# Altium PCB ADC130MSPS-V1-01.PcbDoc (part 5 of 7)
Units mil, origin at the board's own origin, x right, y up, seen from the top; angles counter-clockwise.
Board outline 3011.81 x 2716.54 mil, 8 copper layers (Top Layer, GND1, L3, GND2, L5, GND3, POWER, Bottom Layer), stack 53.051 mil thick; 405 components, 449 nets, 2142 pads, 1651 vias.
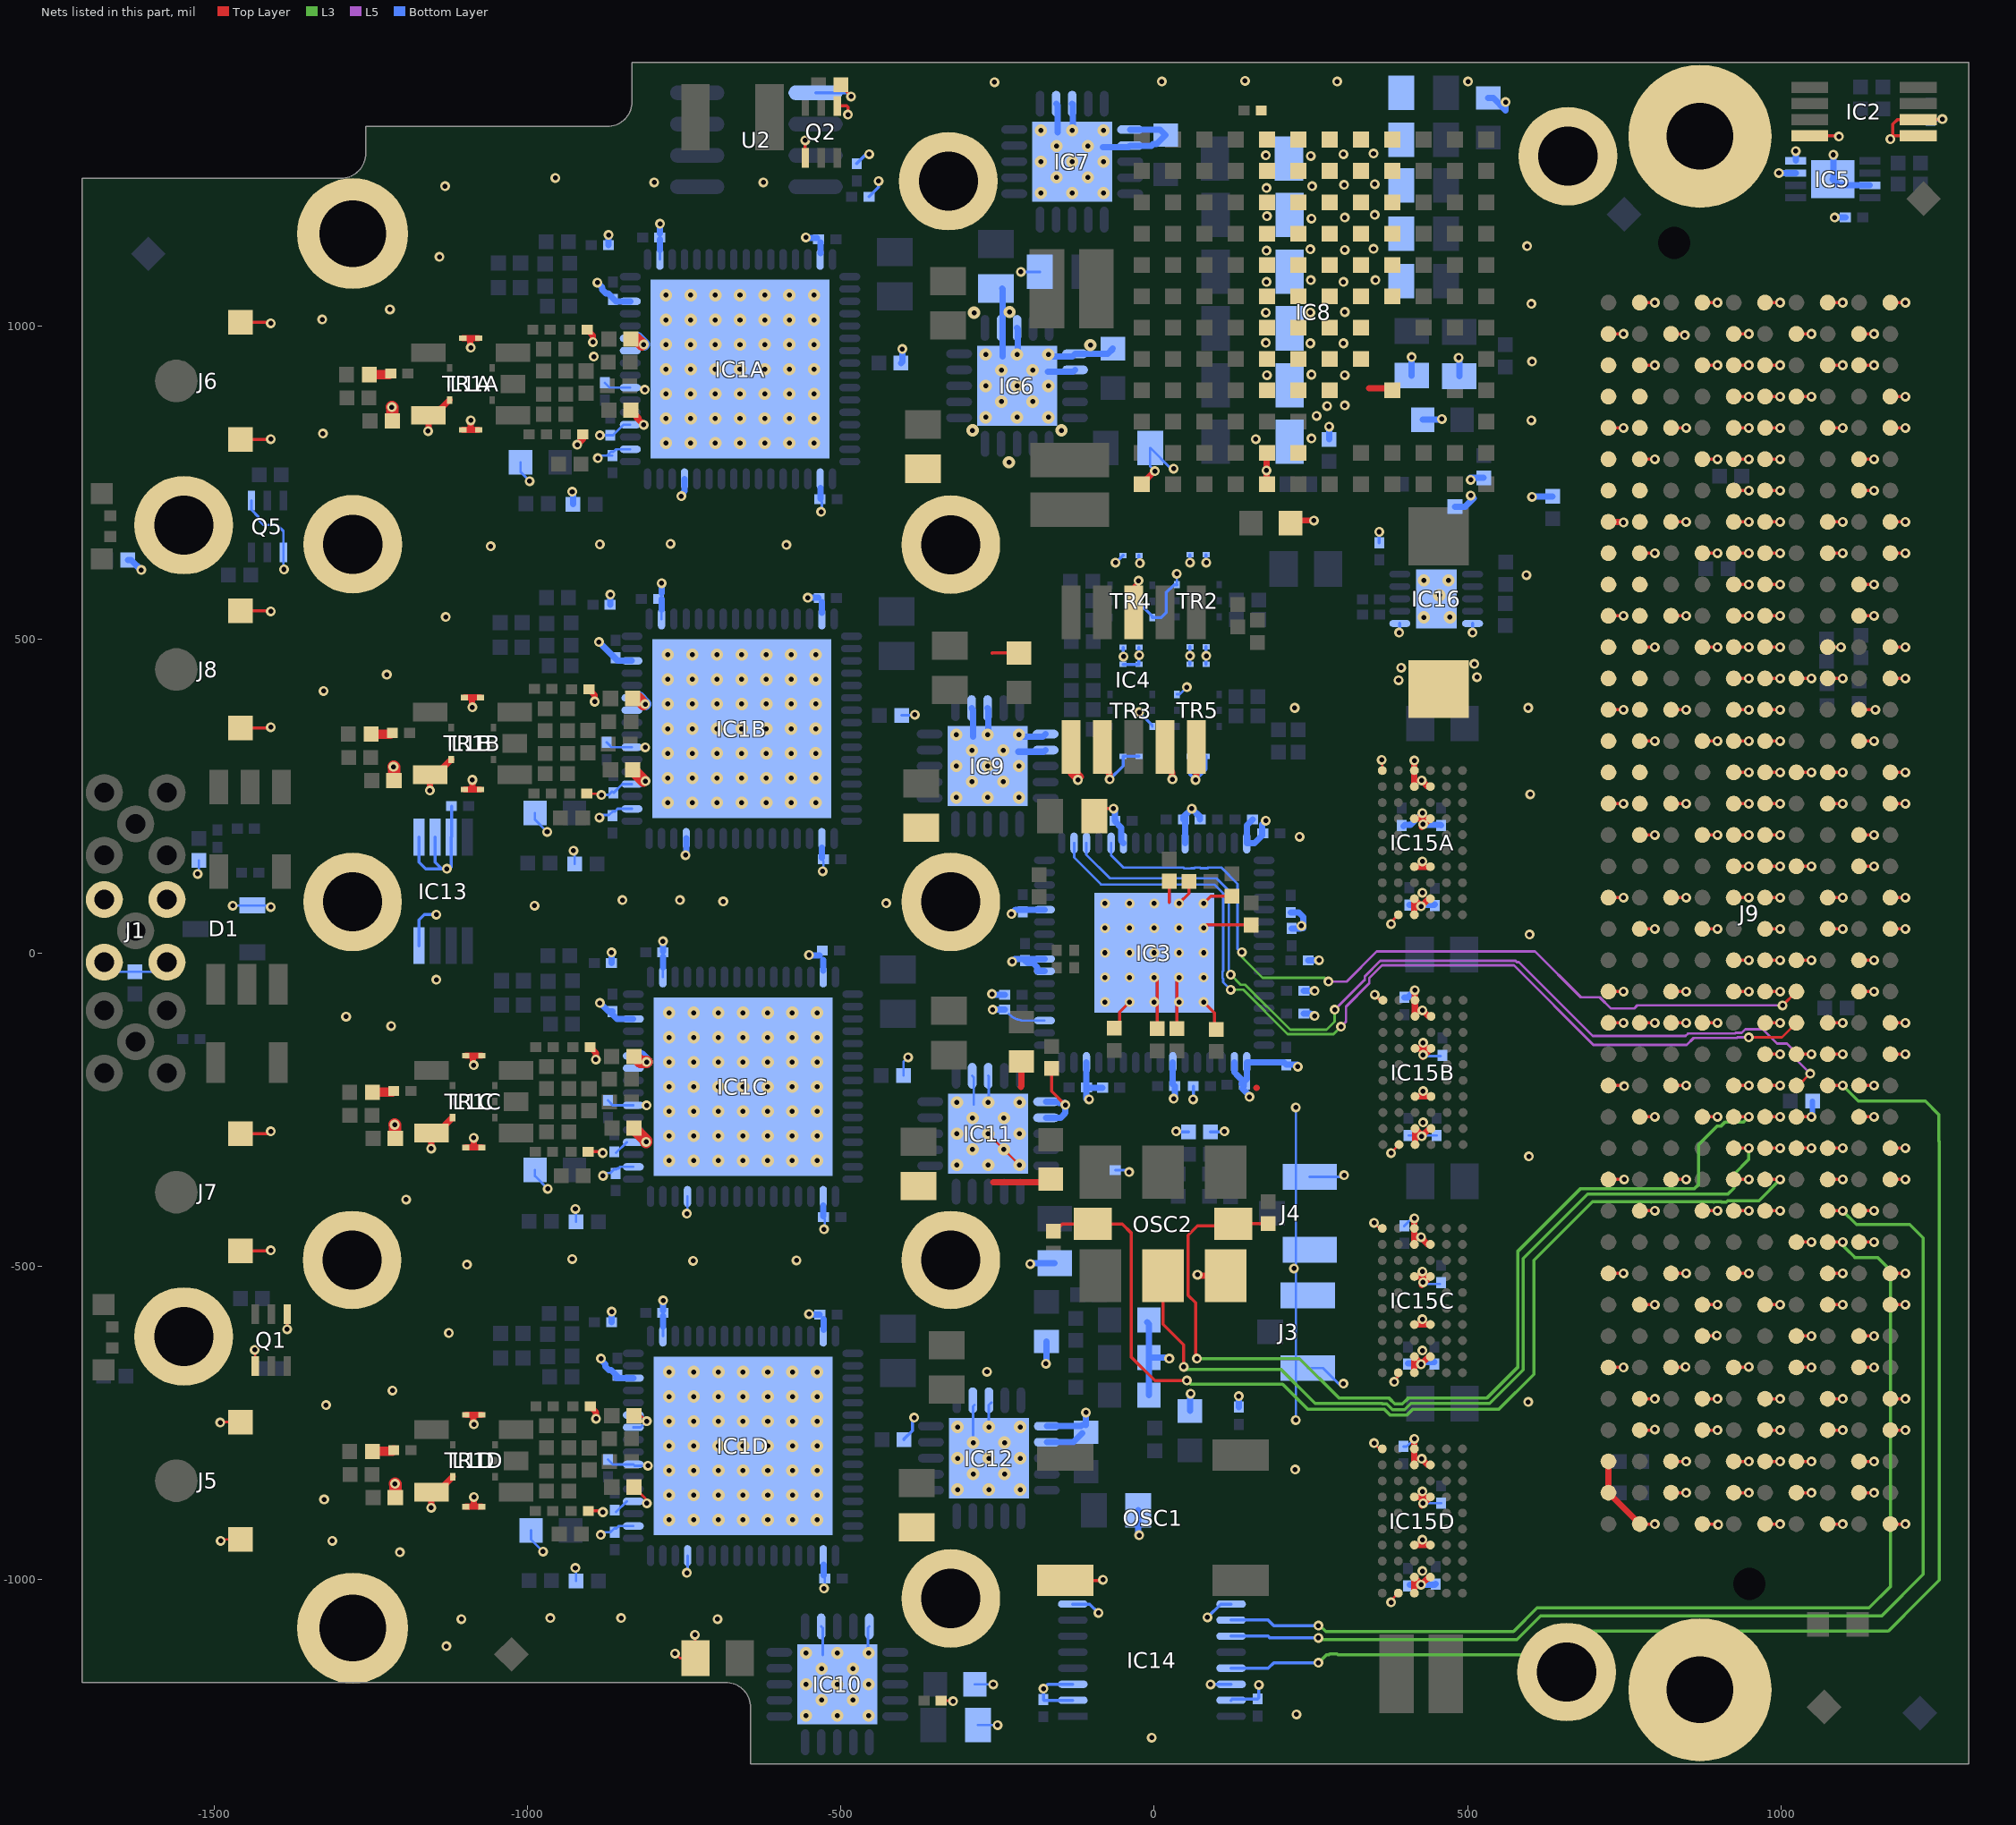
[diagram p11: the nets of this part, all layers, seen from the top]

## Via types
v1: diameter 15.75, hole 7.87, Top Layer to Bottom Layer, tented both sides, 1222 vias
v2: diameter 19.68, hole 7.87, Top Layer to Bottom Layer, tented both sides, 285 vias
v3: diameter 15.75, hole 7.87, Top Layer to Bottom Layer, 144 vias

## Nets (pads, with @x,y where several pads share a name; then routed paths per layer and width w, separated by ;. In a path a pad name is that pad's centre, name@x,y a point inside that pad or via, vN(x,y) a via of type N, cw(c..) or ccw(c..) an arc to the next point about the centre after c; other vN are vias at no path point) (continued)
GND: B1.1 B2.1 B3.1 B4.1 B5.1 B6.1 B7.1 B8.1 B9.1 B10.1 B11.1 B12.1 B13.1 B14.1 B15.1 B16.1 C3A.2 C3B.2 C3C.2 C3D.2 C4A.2 C4B.2 C4C.2 C4D.2 C6A.1 C6B.1 C6C.1 C6D.1 C7A.2 C7B.2 C7C.2 C7D.2 C10.2 C12A.1 C12B.1 C12C.1 C12D.1 C14A.1 C14B.1 C14C.1 C14D.1 C15A.1 C15B.1 C15C.1 C15D.1 C16A.1 C16B.1 C16C.1 C16D.1 C17A.1 C17B.1 C17C.1 C17D.1 C18A.1 C18B.1 C18C.1 C18D.1 C19A.1 C19B.1 C19C.1 C19D.1 C20A.1 C20B.1 C20C.1 C20D.1 C21A.1 C21B.1 C21C.1 C21D.1 C22A.1 C22B.1 C22C.1 C22D.1 C23A.1 C23B.1 C23C.1 C23D.1 C24A.1 C24B.1 C24C.1 C24D.1 C25A.1 C25B.1 C25C.1 C25D.1 C26A.2 C26B.2 C26C.2 C26D.2 C27.2 C28.2 C29.1 C30.1 C31.2 C32.2 C33.2 C34.2 C35.2 C36.2 C37.1 C38.1 C39.1 C41.2 C44.1 C50.2 C51.1 C52.2 C53.1 C54.2 C55.1 C56.1 C57.1 C58.1 C59.1 C60.1 C61.1 C62.1 C63.1 C64.1 C65.1 C66.1 C67.1 C68.1 C69.1 C70.1 C71.1 C72.1 C73.2 C74.2 C75.1 C76.1 C77.1 C78.1 C79.1 C80.1 C81.2 C82.2 C84.1 C85.1 C86.1 C88.1 C91.1 C92.1 C93.1 C94.1 C95.1 C97.1 C98.1 C99.1 C100.1 C101.1 C102.1 C103.2 C104.2 C105.1 C106.1 C107.1 C108.1 C109.1 C110.1 D1.1 IC1A.2 IC1A.4 IC1A.7 IC1A.10 IC1A.11 IC1A.14 IC1A.18 IC1A.31 IC1A.50 IC1A.61 IC1A.65 IC1B.2 IC1B.4 IC1B.7 IC1B.10 IC1B.11 IC1B.14 IC1B.18 IC1B.31 IC1B.50 IC1B.61 IC1B.65 IC1C.2 IC1C.4 IC1C.7 IC1C.10 IC1C.11 IC1C.14 IC1C.18 IC1C.31 IC1C.50 IC1C.61 IC1C.65 IC1D.2 IC1D.4 IC1D.7 IC1D.10 IC1D.11 IC1D.14 IC1D.18 IC1D.31 IC1D.50 IC1D.61 IC1D.65 IC2.4 IC2.5 IC2.6 IC3.3 IC3.7 IC3.8 IC3.12 IC3.22 IC3.27 IC3.32 IC3.49 IC3.50 IC3.55 IC3.62 IC3.65 IC4.1 IC4.2 IC4.4 IC4.5 IC4.8 IC5.3 IC5.4 IC5.7 IC5.9 IC6.7 IC6.8 IC6.11 IC6.12 IC6.21 IC7.7 IC7.8 IC7.11 IC7.12 IC7.21 IC8.D1 IC8.D2 IC8.D3 IC8.D4 IC8.D5 IC8.D6 IC8.D9 IC8.E1 IC8.E2 IC8.E3 IC8.E4 IC8.E5 IC8.E6 IC8.E7 IC8.E8 IC8.F1 IC8.F2 IC8.F3 IC8.F4 IC8.F5 IC8.F6 IC8.F7 IC8.F8 IC8.F9 IC8.G1 IC8.G2 IC8.G3 IC8.G4 IC8.G5 IC8.G6 IC8.G7 IC8.G8 IC8.G9 IC8.G11 IC8.H1 IC8.H2 IC8.H3 IC8.H4 IC8.H5 IC8.H6 IC8.H7 IC8.H8 IC8.H9 IC8.H11 IC8.H12 IC8.M12 IC9.7 IC9.8 IC9.11 IC9.12 IC9.21 IC10.7 IC10.10 IC10.21 IC11.7 IC11.8 IC11.11 IC11.12 IC11.21 IC12.7 IC12.8 IC12.11 IC12.12 IC12.21 IC13.4 IC13.5 IC13.6 IC13.7 IC14.2 IC14.3 IC14.8 IC14.9 IC14.14 IC14.15 IC15A.A4 IC15A.A5 IC15A.B3 IC15A.B4 IC15A.D3 IC15A.D4 IC15A.G3 IC15A.G4 IC15A.J3 IC15A.J4 IC15A.K4 IC15A.K6 IC15B.A4 IC15B.A5 IC15B.B3 IC15B.B4 IC15B.D3 IC15B.D4 IC15B.G3 IC15B.G4 IC15B.J3 IC15B.J4 IC15B.K4 IC15B.K6 IC15C.A4 IC15C.A5 IC15C.B3 IC15C.B4 IC15C.D3 IC15C.D4 IC15C.G3 IC15C.G4 IC15C.J3 IC15C.J4 IC15C.K4 IC15C.K6 IC15D.A4 IC15D.A5 IC15D.B3 IC15D.B4 IC15D.D3 IC15D.D4 IC15D.G3 IC15D.G4 IC15D.J3 IC15D.J4 IC15D.K4 IC15D.K6 IC16.5 IC16.6 IC16.11 J1.2 J3.2 J4.2 J5.2 J6.2 J7.2 J8.2 J9.a1 J9.a4 J9.a5 J9.a8 J9.a9 J9.a12 J9.a13 J9.a16 J9.a17 J9.a20 J9.a21 J9.a24 J9.a25 J9.a28 J9.a29 J9.a32 J9.a33 J9.a36 J9.a37 J9.a40 J9.b2 J9.b3 J9.b6 J9.b7 J9.b10 J9.b11 J9.b14 J9.b15 J9.b18 J9.b19 J9.b22 J9.b23 J9.b26 J9.b27 J9.b30 J9.b31 J9.b34 J9.b35 J9.b38 J9.b39 J9.c1 J9.c4 J9.c5 J9.c8 J9.c9 J9.c12 J9.c13 J9.c16 J9.c17 J9.c20 J9.c21 J9.c24 J9.c25 J9.c28 J9.c29 J9.c32 J9.c33 J9.c36 J9.c38 J9.c40 J9.d2 J9.d3 J9.d6 J9.d7 J9.d10 J9.d13 J9.d16 J9.d19 J9.d22 J9.d25 J9.d28 J9.d37 J9.d39 J9.e1 J9.e4 J9.e5 J9.e8 J9.e11 J9.e14 J9.e17 J9.e20 J9.e23 J9.e26 J9.e29 J9.e32 J9.e35 J9.e38 J9.e40 J9.f2 J9.f3 J9.f6 J9.f9 J9.f12 J9.f15 J9.f18 J9.f21 J9.f24 J9.f27 J9.f30 J9.f33 J9.f36 J9.f39 J9.g1 J9.g4 J9.g5 J9.g8 J9.g11 J9.g14 J9.g17 J9.g20 J9.g23 J9.g26 J9.g29 J9.g32 J9.g35 J9.g38 J9.g40 J9.h2 J9.h3 J9.h6 J9.h9 J9.h12 J9.h15 J9.h18 J9.h21 J9.h24 J9.h27 J9.h30 J9.h33 J9.h36 J9.h39 J9.j1 J9.j4 J9.j5 J9.j8 J9.j11 J9.j14 J9.j17 J9.j20 J9.j23 J9.j26 J9.j29 J9.j32 J9.j35 J9.j38 J9.j40 J9.k2 J9.k3 J9.k6 J9.k9 J9.k12 J9.k15 J9.k18 J9.k21 J9.k24 J9.k27 J9.k30 J9.k33 J9.k36 J9.k39 L1A.4 L1B.4 L1C.4 L1D.4 OSC1.2 OSC2.3 Q1.1 Q1.4 Q2.1 Q2.4 Q5.1 Q5.4 R10A.1 R10B.1 R10C.1 R10D.1 R14A.2 R14B.2 R14C.2 R14D.2 R21.2 R24.1 R25.2 R26.2 R28.1 R29.2 R30.2 R31.2 R34.2 R36.2 R38.2 R40.1 R46.1 R47.1 R48.1 R52.2 R80.2 R82.1 R83.2 R88.1 TR1A.3 TR1A.4 TR1A.5 TR1A.9 TR1A.10 TR1B.3 TR1B.4 TR1B.5 TR1B.9 TR1B.10 TR1C.3 TR1C.4 TR1C.5 TR1C.9 TR1C.10 TR1D.3 TR1D.4 TR1D.5 TR1D.9 TR1D.10 TR2.3 TR2.4 TR2.5 TR2.9 TR2.10 TR3.3 TR3.4 TR3.5 TR3.9 TR3.10 TR4.3 TR4.4 TR4.5 TR4.9 TR4.10 TR5.3 TR5.4 TR5.5 TR5.9 TR5.10 U2.5 | length 16413.4
  Top Layer w4: v1(-1491,-750) -1490.25,-749.25 J5.2@-1458.54,-749.25 ; v1(-1490,-939) -1487.65,-936.65 J5.2@-1458.54,-936.65 ; v1(-1436,-634) -1435,-635 Q1.1@-1435,-659.68 ; v1(-1384,-601) -1383.82,-600.82 Q1.4@-1383.82,-577 ; v1@-977,-956 v1(-975.59,-956) ; C26B.2@-905.5,254 v1@-884,254 ; C7D.2@-830.38,-853 -812.27,-871.11 ; C3D.2@-830.38,-739 -819.09,-739 v1(-810.09,-748) ; v1(-765,-1119) -764,-1119 -757,-1126 C92.1@-732.43,-1126 -732.43,-1090.57 -733,-1090 v1(-733,-1089) ; C84.1@-340,-1194 -322,-1194 v1(-321,-1195) ; v2(-265,-289) v2@-210,-344 ; IC4.8@-33,543.48 -33,586 v3(-25,594) ; v1(351,-783) 351,-784 359.06,-792.06 IC15D.K6@364.02,-792.06 ; v1(351,-431) 351,-432 359.06,-440.06 IC15C.K6@364.03,-440.06 ; v1(352.02,-66.84) 352.02,-67.84 358.31,-74.13 360.33,-74.13 362.11,-75.91 IC15B.K6@365.05,-75.91 ; IC15A.K6@359.06,290.94 IC15A.K6@364.02,290.94 364.02,309.98 v1@363,311 ; v1(378,-1037) 375,-1034 377.99,-1034 IC15D.A5@389.61,-1022.38 ; v1(378.02,-319.84) 376.02,-317.84 379.02,-317.84 IC15B.A5@390.64,-306.22 ; v1(378,46) 375,49 377.99,49 IC15A.A5@389.61,60.62 ; v1@382,-684 389.62,-676.38 IC15C.A5@389.62,-670.37
  Top Layer w5: J7.2@-1458.54,-476.02 -1411.02,-476.02 v1(-1410,-475) ; J7.2@-1458.54,-288.62 -1413.62,-288.62 v1(-1410,-285) ; J8.2@-1458.54,358.62 -1411.38,358.62 v1(-1410,360) ; J8.2@-1458.54,546.02 -1411.02,546.02 v1(-1410,545) ; J6.2@-1458.54,819.25 -1410.75,819.25 v1(-1410,820) ; J6.2@-1458.54,1006.65 -1411.65,1006.65 v1(-1410,1005) ; C26C.2@-903.43,-317.57 -883.43,-317.57 v1@-882,-319 ; C26D.2@-903.31,-891 -881,-891 v1@-880,-892 ; Q2.1@-557,1269.32 v1(-557,1297) ; Q2.4@-505.82,1352 -491,1352 -489,1350 v1(-489,1338) ; R88.1@-500.28,1386 -500.28,1383.28 v1(-484,1367) ; -259,478 -258.5,478.5 C93.1@-216,478.5 ; R46.1@-164,-184.72 -164,-221 v1(-142,-243) ; OSC1.2@-141.96,-1002 -83,-1002 v1(-82,-1001) ; C85.1@-95.57,218 -83.57,230 v1(-65,230) ; R21.2@-55,-120.28 -55,-94.37 v1(-39.37,-78.74) ; v1(0,-39.37) 5,-44.37 R25.2@5,-121.28 ; 24,80 R38.2@24,114.28 ; v3(35,-285) v3@37,-285 ; R26.2@36,-121.28 36,-42.74 v1(39.37,-39.37) ; v1(39.37,78.74) 55.28,94.65 R36.2@55.28,114 ; v1(78.74,-78.74) 96,-96 R29.2@96,-122.28 ; v1(78.74,39.37) 83.65,44.28 R31.2@155,44.28 ; v1(78.74,78.74) 90.28,90.28 R34.2@124,90.28 ; J9.k6@724.92,-661.99 v1(749,-662) ; J9.k9@724.92,-511.99 v1(749,-512) ; J9.k12@724.92,-361.99 748.99,-361.99 v1(750,-362) ; J9.k15@724.92,-211.99 748.99,-211.99 750,-212 v1(750,-213) ; J9.k18@724.92,-61.99 v1(749,-62) ; J9.k21@724.92,88.01 v1(749,88) ; J9.k24@724.92,238.01 v1(749,238) ; J9.k27@724.92,388.01 v1(749,388) ; J9.k30@724.92,538.01 v1(749,538) ; J9.k36@724.92,838.01 v1(749,838) ; J9.k39@724.92,988.01 v1(749,988) ; J9.j1@774.92,-911.99 v1(799,-912) ; J9.j4@774.92,-761.99 798.99,-761.99 v1(799,-761) ; J9.j5@774.92,-711.99 v1(799,-712) ; J9.j8@774.92,-561.99 v1(799,-562) ; J9.j11@774.92,-411.99 v1(799,-412) ; J9.j14@774.92,-261.99 v1(799,-262) ; J9.j17@774.92,-111.99 v1(798.99,-111.99) ; J9.j20@774.92,38.01 v1(799,38) ; J9.j23@774.92,188.01 v1(799,188) ; J9.j26@774.92,338.01 v1(799,338) ; J9.j29@774.92,488.01 v1(799,488) ; J9.j32@774.92,638.01 v1(799,638) ; J9.j35@774.92,788.01 v1(799,788) ; J9.j38@774.92,938.01 v1(799,938) ; J9.j40@774.92,1038.01 v1(799,1038) ; J9.h2@824.92,-861.99 v1(849,-862) ; J9.h3@824.92,-811.99 v1(849,-812) ; J9.h6@824.92,-661.99 848.99,-661.99 v1(848,-661) ; J9.h9@824.92,-511.99 v1(849,-512) ; J9.h12@824.92,-361.99 v1(849,-362) ; J9.h15@824.92,-211.99 v1(849,-212) ; J9.h18@824.92,-61.99 v1(849,-62) ; J9.h21@824.92,88.01 v1(849,88) ; J9.h24@824.92,238.01 v1(849,238) ; J9.h27@824.92,388.01 v1(849,388) ; J9.h30@824.92,538.01 v1(849,538) ; J9.h33@824.92,688.01 v1(849,688) ; J9.h36@824.92,838.01 v1(849,838) ; J9.h39@824.92,988.01 848.99,988.01 v1(847,986) ; J9.g1@874.92,-911.99 898.99,-911.99 v1(900,-913) ; J9.g4@874.92,-761.99 v1(899,-762) ; J9.g5@874.92,-711.99 v1(899,-712) ; J9.g8@874.92,-561.99 v1(899,-562) ; J9.g11@874.92,-411.99 v1(899,-412) ; J9.g14@874.92,-261.99 v1(899,-262) ; J9.g17@874.92,-111.99 v1(899,-112) ; J9.g20@874.92,38.01 v1(899,38) ; J9.g23@874.92,188.01 v1(899,188) ; J9.g26@874.92,338.01 v1(899,338) ; J9.g29@874.92,488.01 v1(899,488) ; J9.g32@874.92,638.01 v1(899,638) ; J9.g35@874.92,788.01 v1(899,788) ; J9.g38@874.92,938.01 v1(899,938) ; J9.g40@874.92,1038.01 v1(899,1038) ; J9.f2@924.92,-861.99 v1(949,-862) ; J9.f3@924.92,-811.99 v1(949,-812) ; J9.f6@924.92,-661.99 948.99,-661.99 v1(949,-661) ; J9.f9@924.92,-511.99 v1(949,-512) ; J9.f12@924.92,-361.99 v1(949,-362) ; J9.f15@924.92,-211.99 v1(949,-212) ; J9.f18@924.92,-61.99 v1(949,-62) ; J9.f21@924.92,88.01 v1(949,88) ; J9.f24@924.92,238.01 v1(949,238) ; J9.f27@924.92,388.01 v1(949,388) ; J9.f30@924.92,538.01 v1(949,538) ; J9.f33@924.92,688.01 v1(949,688) ; J9.f36@924.92,838.01 v1(949,838) ; J9.f39@924.92,988.01 v1(949,988) ; J9.e1@974.92,-911.99 v1(999,-912) ; J9.e4@974.92,-761.99 v1(999,-762) ; J9.e5@974.92,-711.99 v1(999,-712) ; J9.e8@974.92,-561.99 v1(999,-562) ; J9.e11@974.92,-411.99 v1(999,-412) ; J9.e14@974.92,-261.99 v1(999,-262) ; J9.e17@974.92,-111.99 v1(999,-112) ; J9.e20@974.92,38.01 v1(999,38) ; J9.e23@974.92,188.01 v1(999,188) ; J9.e26@974.92,338.01 v1(999,338) ; J9.e29@974.92,488.01 v1(999,488) ; J9.e32@974.92,638.01 v1(999,638) ; J9.e35@974.92,788.01 v1(999,788) ; J9.e38@974.92,938.01 v1(999,938) ; J9.e40@974.92,1038.01 v1(999,1038) ; J9.d2@1024.92,-861.99 v1(1049,-862) ; J9.d3@1024.92,-811.99 v1(1049,-812) ; J9.d6@1024.92,-661.99 v1(1049,-662) ; J9.d7@1024.92,-611.99 v1(1049,-612) ; J9.d10@1024.92,-461.99 v1(1049,-462) ; J9.d13@1024.92,-311.99 v1(1049,-312) ; J9.d16@1024.92,-161.99 v1(1049,-162) ; J9.d19@1024.92,-11.99 v1(1049,-12) ; J9.d22@1024.92,138.01 v1(1049,138) ; J9.d25@1024.92,288.01 v1(1049,288) ; J9.d28@1024.92,438.01 v1(1049,438) ; J9.d37@1024.92,888.01 v1(1049,888) ; J9.d39@1024.92,988.01 v1(1049,988) ; IC2.4@1046.39,1304.61 1091.39,1304.61 v3(1093,1303) ; J9.c1@1074.92,-911.99 v1(1099,-912) ; J9.c4@1074.92,-761.99 v1(1099,-762) ; J9.c5@1074.92,-711.99 v1(1099,-712) ; J9.c8@1074.92,-561.99 v1(1099,-562) ; J9.c9@1074.92,-511.99 v1(1099,-512) ; J9.c12@1074.92,-361.99 v1(1099,-362) ; J9.c13@1074.92,-311.99 v1(1099,-312) ; J9.c16@1074.92,-161.99 v1(1099,-162) ; J9.c17@1074.92,-111.99 v1(1099,-112) ; J9.c20@1074.92,38.01 v1(1099,38) ; J9.c21@1074.92,88.01 v1(1099,88) ; J9.c24@1074.92,238.01 v1(1099,238) ; J9.c25@1074.92,288.01 v1(1099,288) ; J9.c28@1074.92,438.01 v1(1099,438) ; J9.c29@1074.92,488.01 1098.99,488.01 v1(1096,488) ; J9.c32@1074.92,638.01 v1(1099,638) ; J9.c33@1074.92,688.01 v1(1099,688) ; J9.c36@1074.92,838.01 v1(1099,838) ; J9.c38@1074.92,938.01 v1(1099,938) ; J9.c40@1074.92,1038.01 v1(1099,1038) ; J9.b2@1124.92,-861.99 v1(1149,-862) ; J9.b3@1124.92,-811.99 v1(1149,-812) ; J9.b6@1124.92,-661.99 v1(1149,-662) ; J9.b7@1124.92,-611.99 v1(1149,-612) ; J9.b10@1124.92,-461.99 v1(1149,-462) ; J9.b11@1124.92,-411.99 v1(1149,-412) ; J9.b14@1124.92,-261.99 v1(1149,-262) ; J9.b15@1124.92,-211.99 v1(1149,-212) ; J9.b18@1124.92,-61.99 v1(1149,-62) ; J9.b19@1124.92,-11.99 v1(1149,-12) ; J9.b22@1124.92,138.01 v1(1149,138) ; J9.b23@1124.92,188.01 v1(1149,188) ; J9.b26@1124.92,338.01 v1(1149,338) ; J9.b27@1124.92,388.01 v1@1148.99,388.01 ; J9.b30@1124.92,538.01 v1(1149,538) ; J9.b31@1124.92,588.01 v1(1149,588) ; J9.b34@1124.92,738.01 v1(1149,738) ; J9.b35@1124.92,788.01 v1(1149,788) ; J9.b38@1124.92,938.01 v1(1149,938) ; J9.b39@1124.92,988.01 v1(1149,988) ; J9.a1@1174.92,-911.99 v1(1199,-912) ; J9.a4@1174.92,-761.99 v1(1199,-762) ; J9.a5@1174.92,-711.99 v1(1199,-712) ; J9.a8@1174.92,-561.99 v1(1199,-562) ; J9.a9@1174.92,-511.99 v1(1199,-512) ; J9.a12@1174.92,-361.99 v1(1199,-362) ; J9.a13@1174.92,-311.99 v1(1199,-312) ; J9.a16@1174.92,-161.99 v1(1199,-162) ; J9.a17@1174.92,-111.99 v1(1199,-112) ; J9.a20@1174.92,38.01 v1(1199,38) ; J9.a21@1174.92,88.01 v1(1199,88) ; J9.a24@1174.92,238.01 v1(1199,238) ; J9.a25@1174.92,288.01 v1(1199,288) ; J9.a28@1174.92,438.01 v1(1199,438) ; J9.a29@1174.92,488.01 v1(1199,488) ; J9.a32@1174.92,638.01 v1(1199,638) ; J9.a33@1174.92,688.01 v1(1199,688) ; J9.a36@1174.92,838.01 v1(1199,838) ; J9.a37@1174.92,888.01 v1(1199,888) ; J9.a40@1174.92,1038.01 v1(1199,1038) ; v3(1175,1299) v3@1179,1303 ; IC2.5@1219.61,1304.61 1180.61,1304.61 v3@1179,1303 ; v3(1258,1331) 1257.2,1330.2 IC2.6@1219.61,1330.2 1186.2,1330.2 1179,1323 v3@1179,1303
  Top Layer w10: v1(-1159,833) -1158.52,833.48 L1A.4@-1158.52,858 -1149.27,858 TR1A.3@-1124.86,882.41 ; v1(-1156.28,259) -1155.8,259.48 L1B.4@-1155.8,284 ; v1(-1154.2,-312.57) -1153.72,-312.09 L1C.4@-1153.72,-287.58 ; v1(-1154.09,-886) -1153.61,-885.52 L1D.4@-1153.61,-861 ; L1B.4@-1146.55,284 TR1B.3@-1122.14,308.41 ; L1C.4@-1144.47,-287.58 TR1C.3@-1120.06,-263.17 ; L1D.4@-1144.36,-861 TR1D.3@-1119.95,-836.59 ; TR1A.4@-1103.8,834.57 -1091,834.57 ; TR1A.10@-1103.8,981.43 -1092,981.43 ; TR1B.4@-1101.07,260.57 -1088.28,260.57 ; TR1B.10@-1101.07,407.42 -1089.28,407.43 ; TR1C.4@-1099,-311 -1086.2,-311 ; TR1C.10@-1099,-164.15 -1087.2,-164.15 ; TR1D.4@-1098.89,-884.43 -1086.09,-884.43 ; TR1D.10@-1098.89,-737.58 -1087.09,-737.57 ; v3(-1091,850) -1091,834.57 ; v3(-1091,966) -1092,967 -1092,981.43 ; v3(-1088.28,276) -1088.28,260.57 ; v3(-1088.28,392) -1089.28,393 -1089.28,407.43 ; v3(-1086.2,-295.57) -1086.2,-311 ; v3(-1086.2,-179.57) -1087.2,-178.57 -1087.2,-164.15 ; v3(-1086.09,-869) -1086.09,-884.43 ; v3(-1086.09,-753) -1087.09,-752 -1087.09,-737.57 ; TR1A.5@-1078.2,834.57 -1091,834.57 ; TR1A.9@-1078.2,981.43 -1092,981.43 ; TR1B.5@-1075.48,260.57 -1088.28,260.57 ; TR1B.9@-1075.48,407.42 -1089.28,407.43 ; TR1C.5@-1073.4,-311 -1086.2,-311 ; TR1C.9@-1073.4,-164.15 -1087.2,-164.15 ; TR1D.5@-1073.29,-884.43 -1086.09,-884.43 ; TR1D.9@-1073.29,-737.58 -1087.09,-737.57 ; v1(-921,811) -912.22,819.78 C26A.2@-912.22,828 ; C4A.2@-905.22,994.73 -896,985.51 v1(-896,975) ; C4B.2@-902.5,420.73 -893.28,411.51 v1(-893.28,401) ; C4C.2@-900.43,-150.84 -891.2,-160.06 v1(-891.2,-170.57) ; C4D.2@-900.31,-724.27 -891.09,-733.49 v1(-891.09,-744) ; C7A.2@-835.28,866 -823.28,854 -826,854 v1(-815,843) ; -257,-366 -169.5,-366 C98.1@-165,-361.5 ; -213,-214 -212,-213 R47.1@-212,-173.5 ; IC4.1@-133,328.52 IC4.1@-133,297 ; v1@-124,277 -133,286 IC4.1@-133,297 ; v1@-117,281 IC4.1@-133,297 ; IC4.2@-83,328.52 -83,298 -71,286 v3(-71,277) ; IC8.M12@-20,748 v1(1,769) ; IC4.4@17,328.52 17,300 29,288 v1(29,277) ; v3(66,276) 67,277 IC4.5@67,328.52 ; v1(69,-514) 65.46,-514 65.46,-514.46 66.68,-515.68 OSC2.3@114,-515.68 ; 163,-216 163.43,-215.57 ; 179,785 v1(179,770) 179,749 IC8.H12@180,748 ; C52.2@219.57,690.31 v3(255,690) ; 343,901 377,901 IC8.D9@380,898 ; v1(415,-776) 415,-817.45 IC15D.J4@415.2,-817.65 IC15D.K4@415.2,-792.06 ; v1(415,-424) 415,-465.45 IC15C.J4@415.21,-465.65 IC15C.K4@415.21,-440.06 ; v1(415,307) 415,265.55 IC15A.J4@415.2,265.35 IC15A.K4@415.2,290.94 ; IC15D.A4@415.2,-1022.38 IC15D.B4@415.2,-997.2 ; IC15D.B4@415.2,-996.79 IC15D.B4@415.2,-997.2 ; IC15D.D4@415.2,-945.61 427,-945.61 ; IC15D.G4@415.2,-868.83 IC15D.G3@440.8,-868.83 v1@430,-879.63 ; IC15C.A4@415.21,-670.37 IC15C.B4@415.21,-645.2 ; IC15C.B4@415.21,-644.78 IC15C.B4@415.21,-645.2 ; IC15C.D4@415.21,-593.6 427,-593.6 ; IC15C.G4@415.21,-516.83 IC15C.G3@440.8,-516.83 v1@430,-527.63 ; IC15A.A4@415.2,60.62 IC15A.B4@415.2,85.8 ; IC15A.B4@415.2,86.21 IC15A.B4@415.2,85.8 ; IC15A.D4@415.2,137.39 427,137.39 ; IC15A.G4@415.2,214.17 IC15A.G3@440.8,214.17 v1@430,203.37 ; v1(416.02,-59.84) 416.02,-101.29 IC15B.J4@416.23,-101.5 IC15B.K4@416.23,-75.91 ; IC15B.A4@416.23,-306.22 IC15B.B4@416.23,-281.05 ; IC15B.B4@416.23,-280.63 IC15B.B4@416.23,-281.05 ; IC15B.D4@416.23,-229.45 428.02,-229.45 ; IC15B.G4@416.23,-152.68 IC15B.G3@441.82,-152.68 v1@431.02,-163.47 ; v1(426,-1009) v1@426.5,-1008.5 ; v1(426,-657) v1@426.5,-656.5 ; v1(426,74) v1@426.5,74.5 ; v1(427,-808) 436.65,-817.65 IC15D.J3@440.8,-817.65 ; v1@427,-456 436.66,-465.65 IC15C.J3@440.8,-465.65 ; v1(427.02,-292.84) v1@427.52,-292.34 ; v1(427,275) 436.65,265.35 IC15A.J3@440.8,265.35 ; v1@427.3,-882.33 v1@430,-879.63 ; v1@427.31,-530.32 v1@430,-527.63 ; v1@427.3,200.67 v1@430,203.37 ; 428,-945.61 IC15D.D3@440.8,-945.61 ; 428,-593.6 IC15C.D3@440.8,-593.6 ; v1(428.02,-91.84) 437.68,-101.5 IC15B.J3@441.82,-101.5 ; 428,137.39 IC15A.D3@440.8,137.39 ; v1@428.33,-166.17 v1@431.02,-163.47 ; v1@429,-880 430,-879 v1@430,-879.63 ; v1@429,-528 430,-527 v1@430,-527.63 ; 429.02,-229.45 IC15B.D3@441.82,-229.45 ; v1@429,203 430,204 v1@430,203.37 ; v1@430.02,-163.84 431.02,-162.84 v1@431.02,-163.47 ; IC15D.B3@440.8,-996.79 438.21,-996.79 v1@426.5,-1008.5 ; IC15C.B3@440.8,-644.78 438.22,-644.78 v1@426.5,-656.5 ; IC15A.B3@440.8,86.21 438.21,86.21 v1@426.5,74.5 ; IC15B.B3@441.82,-280.63 439.24,-280.63 v1@427.52,-292.34 ; J9.k3@724.92,-811.99 J9.k2@724.92,-861.99 J9.j1@774.92,-911.99 ; J9.k33@724.92,688.01 747.99,688.01 v1(749,687) ; IC15D.B4@415.2,-997.2 v1@426.5,-1008.5 ; IC15C.B4@415.21,-645.2 v1@426.5,-656.5 ; IC15A.B4@415.2,85.8 v1@426.5,74.5 ; IC15B.B4@416.23,-281.05 v1@427.52,-292.34
  Top Layer w20: v1(-1217,871) -1216.28,870.28 C6A.1@-1216.28,849 ; v1(-1214.28,297) -1213.57,296.28 C6B.1@-1213.57,275 ; v1(-1212.2,-274.57) -1211.49,-275.29 C6C.1@-1211.49,-296.57 ; v1(-1212.09,-848) -1211.38,-848.72 C6D.1@-1211.38,-870 ; C3A.2@-835.28,980 -826.91,980 v1@-817.91,971 ; C7B.2@-832.57,292 -815.57,275 v1@-815.2,275 ; C3B.2@-832.57,406 -824.2,406 v1@-815.2,397 ; C7C.2@-829,-282 -811,-300 v1(-811,-302) ; C3C.2@-826,-168 -819.43,-174.57 v1(-810.2,-174.57)
  L3 w4: v1@375,-1034 v1(378,-1037) ; v1@375,49 v1(378,46) ; v1@376.02,-317.84 v1(378.02,-319.84) ; v1@382,-684 v1(383,-685) v1@384,-686
  L3 w5: v3(1175,1299) 1179,1299 v3@1180,1298